# Altium PCB PCB.PcbDoc (part 1 of 4) (continued)
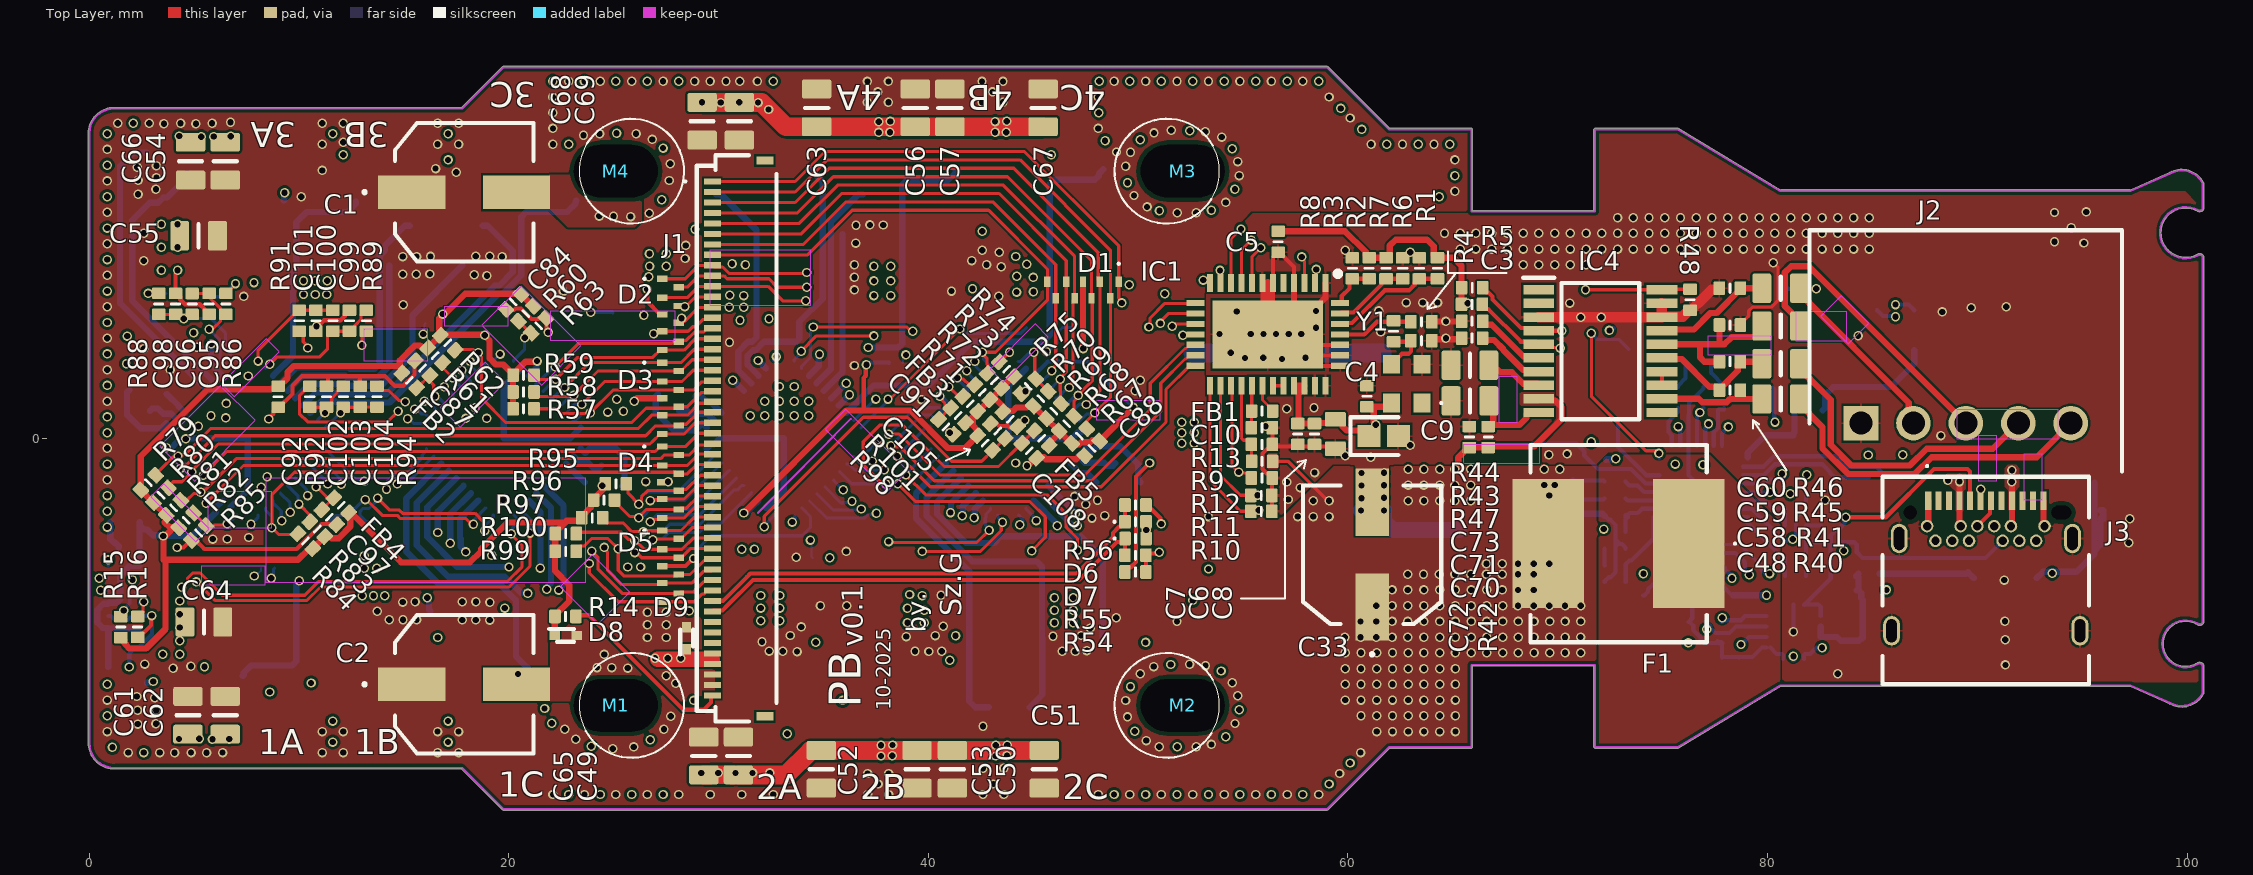
[diagram p0: Top Layer view]
## Design rules (kind name [scope] priority, off if disabled: settings)
BoardOutlineClearance [All] p1: gap=0.2 ignorepadtopadclearanceinfootprint=FALSE
Clearance [All] p1: gap=0.1 ignorepadtopadclearanceinfootprint=FALSE except(0.2: Arc-Hole Track-Hole SMDPad-Hole THPad-Hole Via-Hole Fill-Hole Poly-Hole Region-Hole Text-Hole)
ComponentClearance [All] p1: gap=0.102 collisioncheckmode=3 verticalgap=0.102 showdistances=TRUE
DiffPairsRouting [All] p1: maxlimit=0.102 minlimit=0.102 mostfreqgap=0.102 toplayer_minwidth=0.102 toplayer_maxwidth=1816.048 toplayer_prefwidth=0.102 midlayer1_minwidth=0.102 midlayer1_maxwidth=1816.048 midlayer1_prefwidth=0.102 midlayer2_minwidth=0.102 midlayer2_maxwidth=1816.048 midlayer2_prefwidth=0.102 midlayer3_minwidth=0.102 midlayer3_maxwidth=1816.048 midlayer3_prefwidth=0.102 midlayer4_minwidth=0.102 midlayer4_maxwidth=1816.048 midlayer4_prefwidth=0.102 bottomlayer_minwidth=0.102 bottomlayer_maxwidth=1816.048 bottomlayer_prefwidth=0.102 maxuncoupledlength=12.7
Height [All] p1: minheight=0 maxheight=1816.048 prefheight=12.7
HoleSize [All] p1: absolutevalues=TRUE maxlimit=6.3 minlimit=0.2 maxpercent=80.000 minpercent=20.000
HoleToHoleClearance [All] p1: gap=0.2 allowstackedmicrovias=FALSE
MinimumAnnularRing [All] p1: minimumring=0.074
MinimumSolderMaskSliver [All] p1: minsoldermaskwidth=0
PlaneClearance [All] p1: clearance=0.102
PlaneConnect PlaneConnectPowerPads [InPadClass('PowerPads')] p1: planeconnectstyle=Direct reliefexpansion=0.508 reliefentries=4 reliefconductorwidth=0.254 reliefairgap=0.254
PlaneConnect [All] p2: pad.planeconnectstyle=Relief pad.reliefexpansion=0.3 pad.reliefentries=4 pad.reliefconductorwidth=0.102 pad.reliefairgap=0.102 via.planeconnectstyle=Direct via.reliefexpansion=0.3 via.reliefentries=4 via.reliefconductorwidth=0.127 via.reliefairgap=0.127
PolygonConnect DirectConnect [All vs Name Like 'L04_MOS*_RES'  or Name Like 'L04_MOS??_OUT'  or Name Like 'L04_BAT+_F' or Name Like 'L0?_BMS_POW_*' or Name Like 'BAT+_F_L01_IN'  or Name Like '*_DC'] p1: connectstyle=Direct reliefconductorwidth=0.254 reliefentries=4 polygonreliefangle="90 Angle" airgapwidth=0.254
PolygonConnect PolygonConnect_1 [All vs IsNamedPolygon('NETC25_2_L04_P056') Or IsNamedPolygon('NETC26_2_L04_P054')] p2: connectstyle=Direct reliefconductorwidth=0.254 reliefentries=4 polygonreliefangle="90 Angle" airgapwidth=0.254
PolygonConnect PolygonConnectPowerPads [All vs (InPadClass('PowerPads'))] p3: connectstyle=Direct reliefconductorwidth=0.254 reliefentries=4 polygonreliefangle="90 Angle" airgapwidth=0.254
PolygonConnect [All] p4: thpad.connectstyle=Relief thpad.reliefconductorwidth=0.102 thpad.reliefentries=4 thpad.polygonreliefangle="90 Angle" thpad.airgapwidth=0.102 smdpad.connectstyle=Relief smdpad.reliefconductorwidth=0.102 smdpad.reliefentries=4 smdpad.polygonreliefangle="90 Angle" smdpad.airgapwidth=0.102 via.connectstyle=Direct via.reliefconductorwidth=0.127 via.reliefentries=4 via.polygonreliefangle="90 Angle" via.airgapwidth=0.127
RoutingVias [All] p1: holewidth=0.3 width=0.45 viastyle="Through Hole" minholewidth=0.3 minwidth=0.45 maxholewidth=6.3 maxwidth=6.55
SilkToSilkClearance [All] p1 off: silktosilkclearance=0
SilkToSolderMaskClearance [IsPad] p1: minsilkscreentomaskgap=0.102 clearancetoexposedcopper=TRUE
SolderMaskExpansion [IsVia] p1: expansion=0.075 istentingtop=TRUE
SupplyNets "Schematic Supply Nets_4" [InNet('+FUSB')] p1: voltage=0.000
SupplyNets "Schematic Supply Nets_3" [InNet('GND')] p2: voltage=0.000
SupplyNets "Schematic Supply Nets_2" [InNet('+5V')] p3: voltage=0.000
SupplyNets "Schematic Supply Nets_1" [InNet('BAT+_F')] p4: voltage=0.000
SupplyNets "Schematic Supply Nets" [InNet('+3V3')] p5: voltage=0.000
Width [All] p1: maxlimit=1816.048 minlimit=0.102 preferedwidth=0.102
20 further rules are at their usual default settings.

## Classes and differential pairs
component class U_ESC_D: C55 C108 FB5 IC10 Q24 Q25 Q26 Q27 Q28 Q29 R95 R96 R97 R98 R99 R100 R101 R102 R103 R104
component class U_ESC_C: C93 C96 C97 C103 C108 FB4 IC9 Q18 Q19 Q20 Q21 Q22 Q23 R79 R80 R81 R82 R83 R84 R85 R86 R87 R88 R89 R90 R91 R92 R93 R94
component class U_ESC_B: C93 C96 FB3 IC8 Q12 Q13 Q14 Q15 Q16 Q17 R67 R68 R69 R70 R71 R72 R73 R74 R75 R76 R77 R78
component class U_ESC_A: C93 C96 FB2 IC7 Q6 Q7 Q8 Q9 Q10 Q11 R57 R58 R59 R60 R61 R62 R63 R64 R65 R66
component class U_FC_Conn: D1 D2 D3 D4 D5 D6 D7 D8 D9 J1 R14
component class U_ToF_Bottom: C11 C12 C13 C14 IC2 R15 R16
component class U_USB: C76 C78 C79 C82 C93 D10 D11 D12 FF IC5 IC6 J3 R49 R50 R51 R52 R53 R54 R55 R56
component class U_BMS: C15 C16 C17 C18 C19 C20 C21 C22 C23 C24 C25 C26 C27 C28 C29 C30 C31 C32 C33 C34 C35 C36 C37 C38 C39 C40 C41 C42 C43 C44 C45 C46 C47 C48 C49 C50 C51 C52 C53 C55 C59 C61 C62 C63 C64 C65 C66 C67 C76 C79 F1 IC3 IC4 J2 L1 Q1 Q2 Q3 Q4 Q5 R17 R18 R19 R20 R21 R22 R23 R24 R25 R26 R27 R28 R29 R30 R31 R32 R33 R34 R35 R36 R37 R38 R39 R40 R41 R42 R43 R44 R45 R46 R47 R48
component class U_ADC+Temp: C3 C4 C5 C6 C7 C8 C9 C10 FB1 IC1 R1 R2 R3 R4 R5 R6 R7 R8 R9 R10 R11 R12 R13 RT1 RT2 RT3 RT4 RT5 Y1
component class Main: C1 C2 M1 M2 M3 M4
differential pair D: +D_P -D_N
differential pair CONN_D: +CONN_D_P -CONN_D_N

## Components (designator, comment, footprint, x,y, rotation, side; value= is the part's Value field where it differs from the comment)
C1 "EEH-ZL1V151XP" EEEHP1H4R7P 17.871,11.732 r270 top locked
C2 "EEH-ZL1V151XP" EEEHP1H4R7P 17.871,-11.733 r270 top locked
C3 "Cap0402" CAP0402 63.503,4.648 r180 top value=DNI
C4 "Cap0402" CAP0402 60.9,2 r270 top value=DNI
C5 "Cap0402" CAP0402 56.671,9.368 r90 top value=100nF
C6 "Cap0402" CAP0402 58.4,0.2 r90 top value=100nF
C7 "Cap0402" CAP0402 57.6,0.2 r90 top value=100nF
C8 "Cap0603" CAP0603 59.4,0.2 r90 top value=DNI
C9 "TMCJ0J106MTRF" CAPPC1608X90N 61.7,0.1 r0 top value=10uF
C10 "Cap0402" CAP0402 55.9,0.5 r180 top value=DNI
C11 "Cap0402" CAP0402 1.4,-10 r180 bottom value=100nF
C12 "Cap0402" CAP0402 1.4,-10.9 r180 bottom value=100nF
C13 "Cap0603" CAP0603 1.7,-4 r0 bottom value=1uF
C14 "Cap0402" CAP0402 1.9,-5.2 r180 bottom value=100nF
C15 "Cap0603" CAP0603 88.285,5.32 r270 bottom value=10uF
C16 "TR3D336K025D0200" CAPPM7343X310N 94.43,6.995 r90 bottom value=33uF
C17 "Cap0805" CAP0805 91.33,5.32 r270 bottom value=10uF
C18 "Cap0805" CAP0805 89.705,5.32 r270 bottom value=10uF
C19 "293D226X0025D2TE3" CAPPM7343X310N 64.635,5.639 r90 bottom value=22uF
C20 "293D226X0025D2TE3" CAPPM7343X310N 69.224,5.645 r90 bottom value=22uF
C21 "Cap0805" CAP0805 56.217,3.17 r270 bottom value=10uF
C22 "Cap0805" CAP0805 58.023,3.17 r270 bottom value=10uF
C23 "Cap0805" CAP0805 61.635,3.17 r270 bottom value=10uF
C24 "Cap0805" CAP0805 52.605,3.17 r270 bottom value=10uF
C25 "Cap0805" CAP0805 59.829,3.17 r270 bottom value=10uF
C26 "Cap0805" CAP0805 54.411,3.17 r270 bottom value=10uF
C27 "Cap0805" CAP0805 63.629,-5.28 r270 bottom value=10uF
C28 "Cap0805" CAP0805 65.28,-5.28 r270 bottom value=10uF
C29 "Cap0402" CAP0402 83.571,5.368 r270 bottom value=10nF
C30 "Cap0402" CAP0402 82.771,5.368 r270 bottom value=1nF
C31 "Cap0402" CAP0402 77.72,3.301 r0 bottom value=47nF
C32 "Cap0402" CAP0402 75.735,3.301 r180 bottom value=47nF
C33 "EEH-ZL1V151XP" EEEHP1H4R7P 61.15,-5.55 r0 top
C34 "Cap0402" CAP0402 76.948,1.939 r270 bottom value=2u2F
C35 "Cap0402" CAP0402 84.035,-1.361 r270 bottom value=33nF
C36 "Cap0402" CAP0402 83.235,-1.361 r90 bottom value=DNI
C37 "Cap0402" CAP0402 85.635,-1.361 r90 bottom value=33nF
C38 "Cap0402" CAP0402 70.735,-1.461 r270 bottom value=1uF
C39 "Cap0402" CAP0402 71.535,-2.461 r270 bottom value=100nF
C40 "Cap0402" CAP0402 70.735,-3.461 r270 bottom value=DNI
C41 "Cap0603" CAP0603 81.935,0.239 r180 bottom value=u47F
C42 "Cap0402" CAP0402 81.335,-6.561 r180 bottom value=100pF
C43 "Cap0402" CAP0402 81.335,-4.961 r180 bottom value=1uF
C44 "Cap0402" CAP0402 74.919,-6.992 r90 bottom value=33pF
C45 "Cap0402" CAP0402 72.735,-6.861 r0 bottom value=15pF
C46 "Cap0402" CAP0402 74.069,-6.987 r270 bottom value=3n3F
C47 "Cap0402" CAP0402 72.735,-5.261 r180 bottom value=1n2F
C48 "Cap0402" CAP0402 78.207,2.293 r0 top value=1uF
C49 "Cap0805" CAP0805 30.942,-15.146 r90 top value=DNI
C50 "Cap0805" CAP0805 41.141,-15.78 r270 top value=DNI
C51 "Cap0805" CAP0805 45.522,-15.781 r270 top value=DNI
C52 "Cap0805" CAP0805 34.893,-15.781 r270 top value=DNI
C53 "Cap0805" CAP0805 39.453,-15.781 r270 top value=DNI
C54 "Cap0805" CAP0805 6.477,13.208 r270 top value=DNI
C55 "Cap0805" CAP0805 5.207,9.652 r0 top value=DNI
C56 "Cap0805" CAP0805 39.37,15.748 r90 top value=DNI
C57 "Cap0805" CAP0805 41.021,15.748 r90 top value=DNI
C58 "Cap0402" CAP0402 78.207,3.653 r0 top value=1uF
C59 "Cap0402" CAP0402 78.212,5.392 r180 top value=1uF
C60 "Cap0402" CAP0402 78.207,7.151 r180 top value=1uF
C61 "Cap0805" CAP0805 4.699,-13.208 r90 top value=DNI
C62 "Cap0805" CAP0805 6.477,-13.208 r90 top value=DNI
C63 "Cap0805" CAP0805 34.671,15.748 r90 top value=DNI
C64 "Cap0805" CAP0805 5.461,-8.763 r0 top value=DNI
C65 "Cap0805" CAP0805 29.291,-15.146 r90 top value=DNI
C66 "Cap0805" CAP0805 4.826,13.208 r270 top value=DNI
C67 "Cap0805" CAP0805 45.466,15.748 r90 top value=DNI
C68 "Cap0805" CAP0805 29.21,15.113 r270 top value=DNI
C69 "Cap0805" CAP0805 30.988,15.113 r270 top value=DNI
C70 "Cap0805" CAP0805 65.814,1.779 r0 top value=10uF
C71 "Cap0402" CAP0805 65.814,3.479 r0 top value=4u7F
C72 "Cap0402" CAP0402 65.789,0.059 r270 top value=1uF
C73 "Cap0402" CAP0402 65.914,4.779 r0 top value=1uF
C74 "Cap0603" CAP0603 84.471,-10.232 r90 bottom value=2u2
C75 "Cap0402" CAP0402 83.371,-10.032 r90 bottom value=100nF
C76 "Cap0402" CAP0402 77.835,-10.961 r90 bottom value=100nF
C77 "Cap0402" CAP0402 78.635,-10.961 r90 bottom value=1uF
C78 "Cap0603" CAP0603 96.568,-3.832 r180 bottom value=2u2
C79 "Cap0603" CAP0603 96.568,-4.932 r180 bottom value=2u2
C80 "Cap0603" CAP0603 87.135,-7.161 r90 bottom value=2u2
C81 "Cap0603" CAP0603 88.335,-7.161 r90 bottom value=2u2
C82 "Cap0402" CAP0402 83.035,-4.161 r0 bottom value=470pF
C83 "Cap0402" CAP0402 83.035,-4.961 r0 bottom value=470pF
C84 "Cap0402" CAP0402 20.205,6.502 r45 top value=1uF
C85 "CapSMD0603" CAP0603 24.905,-1.798 r315 bottom value=47nF
C86 "CapSMD0603" CAP0603 24.105,-2.598 r135 bottom value=1uF
C87 "Cap0402" CAP0402 15.885,3.348 r315 top value=100nF
C88 "Cap0402" CAP0402 47.798,-0.485 r45 top value=1uF
C89 "CapSMD0603" CAP0603 49.405,-1.698 r315 bottom value=47nF
C90 "CapSMD0603" CAP0603 48.605,-2.498 r135 bottom value=1uF
C91 "Cap0402" CAP0402 40.833,0.535 r135 top value=100nF
C92 "Cap0402" CAP0402 9,1.98 r90 top value=1uF
C93 "CapSMD0603" CAP0603 2.393,1.802 r135 bottom value=47nF
C94 "CapSMD0603" CAP0603 3.205,2.602 r315 bottom value=1uF
C95 "Cap0402" CAP0402 5.705,6.402 r90 top value=DNI
C96 "Cap0402" CAP0402 4.905,6.402 r270 top value=DNI
C97 "Cap0402" CAP0402 11.436,-3.769 r135 top value=100nF
C98 "Cap0402" CAP0402 4.105,6.402 r90 top value=DNI
C99 "Cap0402" CAP0402 12.405,5.602 r270 top value=DNI
C100 "Cap0402" CAP0402 11.605,5.602 r90 top value=DNI
C101 "Cap0402" CAP0402 10.805,5.602 r270 top value=DNI
C102 "Cap0402" CAP0402 11.308,1.98 r270 top value=DNI
C103 "Cap0402" CAP0402 12.108,1.98 r270 top value=DNI
C104 "Cap0402" CAP0402 12.908,1.98 r90 top value=DNI
C105 "Cap0402" CAP0402 43.9,0.9 r135 top value=1uF
C106 "CapSMD0603" CAP0603 27.605,1.702 r135 bottom value=47nF
C107 "CapSMD0603" CAP0603 28.405,2.502 r315 bottom value=1uF
C108 "Cap0402" CAP0402 44.8,-0.6 r135 top value=100nF
D1 "DT1240A-08LP3810-7" DT1240A08LP38107 47.371,7.068 r180 top
D2 "DT1240A-08LP3810-7" DT1240A08LP38107 27.705,5.902 r270 top locked
D3 "DT1240A-08LP3810-7" DT1240A08LP38107 27.705,1.902 r270 top locked
D4 "DT1240A-08LP3810-7" DT1240A08LP38107 27.705,-2.098 r270 top locked
D5 "DT1240A-08LP3810-7" DT1240A08LP38107 27.705,-6.098 r270 top locked
D6 "D1213A-01LP4-7B" D1213A01LP47B 49.868,-3.982 r0 top
D7 "D1213A-01LP4-7B" D1213A01LP47B 49.871,-4.782 r0 top
D8 "DF2S24FS,L3M" SODFL1006X45N 22.7,-9.4 r0 top
D9 "DF2S24FS,L3M" SODFL1006X45N 28.471,-9.532 r90 top
D10 "D1213A-01LP4-7B" D1213A01LP47B 84.635,-4.161 r0 bottom
D11 "D1213A-01LP4-7B" D1213A01LP47B 84.635,-4.961 r0 bottom
D12 "DF2S24FS,L3M" SODFL1006X45N 93.205,-1.18 r90 bottom
F1 "3-140-177" 3140177 72.9,-5.025 r180 top
FB1 "0R/Ferrite" NFZ15SG152SN10B 55.9,1.3 r0 top
FB2 "0R/Ferrite" NFZ15SG152SN10B 15.251,2.758 r315 top
FB3 "0R/Ferrite" NFZ15SG152SN10B 41.411,1.084 r135 top
FB4 "0R/Ferrite" NFZ15SG152SN10B 12.005,-3.198 r135 top
FB5 "0R/Ferrite" NFZ15SG152SN10B 45.4,0 r135 top
IC1 "LTC2495CUHF#PBF" QFN50P500X700X80-39N-D 56.175,4.95 r270 top
IC2 "TMF8806" TMF88051B 1.65,-7.568 r90 bottom
IC3 "BQ25720RSNR" QFN40P400X400X80-33N-D 76.835,-2.361 r180 bottom locked
IC4 "BQ7692003PW" SOP65P640X120-20N 72.03,4.152 r0 top
IC5 "TLV70950PKR" TL431AQPKG3 91.335,-8.111 r0 bottom
IC6 "FUSB302BMPX" QFN50P250X250X80-15N 81.235,-9.229 r90 bottom
IC7 "DRV8323SRTAR" QFN50P600X600X80-41N-D 19.75,0.002 r135 bottom locked
IC8 "DRV8323SRTAR" QFN50P600X600X80-41N-D 43.805,0.002 r135 bottom
IC9 "DRV8323SRTAR" QFN50P600X600X80-41N-D 7.55,0.002 r315 bottom locked
IC10 "DRV8323SRTAR" QFN50P600X600X80-41N-D 33.105,0.002 r315 bottom
J1 "FH34SRJ-50S-0.5SH_50_" FH34SRJ50S05SH50 30.855,-0.01 r90 top locked
J2 "S5B-XH-A_LF__SN_" SHDRRA5W64P0X250_1X5_1490X1150X610P 84.455,0.717 r0 top
J3 "USB4056-03-A" USB405603A 90.405,-9.18 r0 top
L1 "XEL4020-222MEC" XEL4020222MEC 76.835,6.639 r180 bottom
M1 "Mount_M2" MOUNT_M2_ANTI_VIBRATION_RUBBER 25.85,-12.733 r0 top locked
M2 "Mount_M2" MOUNT_M2_ANTI_VIBRATION_RUBBER 51.371,-12.732 r180 top
M3 "Mount_M2" MOUNT_M2_ANTI_VIBRATION_RUBBER 51.371,12.732 r180 top locked
M4 "Mount_M2" MOUNT_M2_ANTI_VIBRATION_RUBBER 25.85,12.732 r0 top locked
Q1 "PMPB07R3ENAX" DMT3006LFDF7 80.935,3.289 r180 bottom locked
Q2 "SISA01DN-T1-GE3" SIS862DNT1GE3 67.807,-1.816 r270 bottom
Q3 "PMPB07R3ENAX" DMT3006LFDF7 73.315,6.179 r180 bottom locked
Q4 "PMPB07R3ENAX" DMT3006LFDF7 80.335,6.179 r0 bottom locked
Q5 "PMPB07R3ENAX" DMT3006LFDF7 72.735,3.289 r0 bottom locked
Q6 "TPN1R603PL,L1Q" TPN1R603PLL1Q 4.65,-12.643 r90 bottom locked
Q7 "TPN1R603PL,L1Q" TPN1R603PLL1Q 8.289,-9.433 r180 bottom locked
Q8 "TPN1R603PL,L1Q" TPN1R603PLL1Q 15.269,-10.133 r0 bottom locked
Q9 "TPN1R603PL,L1Q" TPN1R603PLL1Q 11.779,-9.433 r180 bottom locked
Q10 "TPN1R603PL,L1Q" TPN1R603PLL1Q 18.759,-10.133 r0 bottom locked
Q11 "TPN1R603PL,L1Q" TPN1R603PLL1Q 22.249,-9.428 r180 bottom locked
Q12 "TPN1R603PL,L1Q" TPN1R603PLL1Q 33.377,-11.619 r0 bottom
Q13 "TPN1R603PL,L1Q" TPN1R603PLL1Q 29.886,-10.919 r180 bottom
Q14 "TPN1R603PL,L1Q" TPN1R603PLL1Q 40.359,-11.619 r0 bottom
Q15 "TPN1R603PL,L1Q" TPN1R603PLL1Q 36.868,-10.919 r180 bottom
Q16 "TPN1R603PL,L1Q" TPN1R603PLL1Q 47.341,-11.619 r0 bottom
Q17 "TPN1R603PL,L1Q" TPN1R603PLL1Q 43.85,-10.919 r180 bottom
Q18 "TPN1R603PL,L1Q" TPN1R603PLL1Q 4.65,12.647 r90 bottom locked
Q19 "TPN1R603PL,L1Q" TPN1R603PLL1Q 8.29,9.432 r0 bottom locked
Q20 "TPN1R603PL,L1Q" TPN1R603PLL1Q 15.27,10.132 r180 bottom locked
Q21 "TPN1R603PL,L1Q" TPN1R603PLL1Q 11.78,9.432 r0 bottom locked
Q22 "TPN1R603PL,L1Q" TPN1R603PLL1Q 18.76,10.132 r180 bottom locked
Q23 "TPN1R603PL,L1Q" TPN1R603PLL1Q 22.25,9.432 r0 bottom locked
Q24 "TPN1R603PL,L1Q" TPN1R603PLL1Q 29.888,11.617 r180 bottom
Q25 "TPN1R603PL,L1Q" TPN1R603PLL1Q 33.381,10.917 r0 bottom
Q26 "TPN1R603PL,L1Q" TPN1R603PLL1Q 36.875,11.617 r180 bottom
Q27 "TPN1R603PL,L1Q" TPN1R603PLL1Q 40.368,10.917 r0 bottom
Q28 "TPN1R603PL,L1Q" TPN1R603PLL1Q 43.861,11.617 r180 bottom
Q29 "TPN1R603PL,L1Q" TPN1R603PLL1Q 47.354,10.917 r0 bottom
R1 "Res0402" RES0402 64.26,8.1 r90 top value=DNI
R2 "Res0402" RES0402 61.81,8.1 r90 top value=DNI
R3 "Res0402" RES0402 61.01,8.1 r90 top value=DNI
R4 "Res0402" RES0402 62.177,5.106 r270 top value=DNI
R5 "Res0402" RES0402 63.503,5.548 r180 top value=10k
R6 "Res0402" RES0402 63.41,8.1 r270 top value=10k
R7 "Res0402" RES0402 62.61,8.1 r270 top value=10k
R8 "Res0402" RES0402 60.21,8.1 r270 top value=10k
R9 "Res0402" RES0402 55.9,-1.1 r0 top value=50k
R10 "Res0402" RES0402 55.873,-3.487 r180 top value=10k
R11 "Res0402" RES0402 55.871,-2.732 r180 top value=10k
R12 "Res0402" RES0402 55.9,-1.9 r180 top value=10k
R13 "Res0402" RES0402 55.9,-0.3 r180 top value=10k
R14 "Res0402" RES0402 22.7,-8.5 r180 top value=DNI
R15 "Res0402" RES0402 1.5,-9 r270 top value=50k
R16 "Res0402" RES0402 2.3,-9 r90 top value=50k
R17 "L4CA0612LR010FNR" L4CA0612L0M50FNR 86.105,4.77 r180 bottom
R18 "L4CA0612LR010FNR" L4CA0612L0M50FNR 68.335,-5.961 r90 bottom
R19 "Res0402" RES0402 84.835,-1.361 r90 bottom value=5R
R20 "Res0402" RES0402 86.435,-1.361 r90 bottom value=5R
R21 "Res0402" RES0402 77.935,1.939 r90 bottom value=0R
R22 "Res0402" RES0402 75.735,1.939 r90 bottom value=0R
R23 "Res0603" RES0603 81.935,1.339 r0 bottom value=1R
R24 "Res0402" RES0402 81.335,-2.561 r0 bottom value=10R
R25 "Res0402" RES0402 72.735,-2.061 r180 bottom value=10R
R26 "Res0402" RES0402 72.735,-2.861 r180 bottom value=10R
R27 "Res0402" RES0402 81.332,-1.766 r0 bottom value=10k
R28 "Res0402" RES0402 81.335,-3.361 r0 bottom value=380k
R29 "Res0402" RES0402 81.335,-5.761 r180 bottom value=137k
R30 "Res0402" RES0402 72.735,-4.461 r180 bottom value=350k
R31 "Res0402" RES0402 81.335,-4.161 r180 bottom value=120k
R32 "Res0402" RES0402 72.735,-3.661 r0 bottom value=250k
R33 "Res0402" RES0402 75.758,-6.992 r90 bottom value=16k9
R34 "Res0402" RES0402 72.735,-6.061 r0 bottom value=10k
R35 "Res0402" RES0402 79.945,-6.987 r270 bottom value=10k
R36 "Res0402" RES0402 79.106,-6.987 r270 bottom value=10k
R37 "Res0402" RES0402 78.266,-6.987 r270 bottom value=10k
R38 "Res0402" RES0402 76.587,-6.987 r270 bottom value=DNI
R39 "Res0402" RES0402 77.437,-6.992 r90 bottom value=10k
R40 "Res0805" RES0805 80.63,1.87 r0 top value=100R
R41 "Res0805" RES0805 80.63,3.552 r0 top value=100R
R42 "Res0805" RES0402 66.689,0.059 r270 top value=100R
R43 "Res0402" RES0402 65.914,6.379 r180 top value=DNI
R44 "Res0402" RES0402 65.916,7.174 r180 top value=DNI
R45 "Res0805" RES0805 80.63,5.352 r0 top value=100R
R46 "Res0805" RES0805 80.627,7.148 r0 top value=100R
R47 "Res0402" RES0402 65.914,5.579 r0 top value=10k
R48 "Res0402" RES0402 76.3,6.6 r90 top value=1M
R49 "Res0402" RES0402 84.835,-7.261 r0 bottom value=DNI
R50 "Res0402" RES0402 84.835,-6.461 r0 bottom value=0R
R51 "Res0402" RES0402 76.235,-9.261 r90 bottom value=10k
R52 "Res0402" RES0402 77.035,-9.261 r270 bottom value=4k7
R53 "Res0402" RES0402 77.835,-9.261 r270 bottom value=4k7
R54 "Res0402" RES0402 49.871,-6.382 r180 top value=1k5
R55 "Res0402" RES0402 49.871,-5.582 r180 top value=22R
R56 "Res0402" RES0402 49.873,-3.187 r180 top value=22R
R57 "Res0402" RES0402 20.7,1.4 r180 top value=50k
R58 "Res0402" RES0402 20.7,2.2 r180 top value=50k
R59 "Res0402" RES0402 20.7,3 r180 top value=50k
R60 "Res0402" RES0402 20.805,5.936 r45 top value=10k
R61 "Res0402" RES0402 16.481,3.94 r135 top value=DNI
R62 "Res0402" RES0402 17.081,4.543 r135 top value=10k
R63 "Res0402" RES0402 21.416,5.366 r225 top value=10k
R64 "WSK12161L000FEA" WSK12161L000FEA 4.85,-8.468 r90 bottom locked
R65 "WSK12161L000FEA" WSK12161L000FEA 12.513,-5.687 r90 bottom locked
R66 "WSK12161L000FEA" WSK12161L000FEA 26.005,-7.698 r90 bottom locked
R67 "Res0402" RES0402 47.198,0.104 r225 top value=50k
R68 "Res0402" RES0402 46.587,0.696 r225 top value=50k
R69 "Res0402" RES0402 45.977,1.289 r225 top value=50k
R70 "Res0402" RES0402 45.355,1.885 r225 top value=10k
R71 "Res0402" RES0402 41.993,1.644 r315 top value=DNI
R72 "Res0402" RES0402 42.572,2.193 r315 top value=DNI
R73 "Res0402" RES0402 43.15,2.743 r315 top value=10k
R74 "Res0402" RES0402 43.728,3.292 r315 top value=DNI
R75 "Res0402" RES0402 44.756,2.474 r45 top value=10k
R76 "WSK12161L000FEA" WSK12161L000FEA 31.403,-6.998 r90 bottom
R77 "WSK12161L000FEA" WSK12161L000FEA 38.364,-6.998 r90 bottom
R78 "WSK12161L000FEA" WSK12161L000FEA 45.358,-6.998 r90 bottom
R79 "Res0402" RES0402 2.812,-2.116 r225 top value=50k
R80 "Res0402" RES0402 3.415,-2.717 r225 top value=50k
R81 "Res0402" RES0402 4.018,-3.318 r225 top value=50k
R82 "Res0402" RES0402 4.621,-3.919 r225 top value=10k
R83 "Res0402" RES0402 10.87,-4.329 r315 top value=10k
R84 "Res0402" RES0402 10.3,-4.9 r315 top value=10k
R85 "Res0402" RES0402 5.212,-4.516 r45 top value=10k
R86 "Res0402" RES0402 6.505,6.402 r90 top value=0R
R87 "WSK12161L000FEA" WSK12161L000FEA 4.849,8.472 r270 bottom
R88 "Res0402" RES0402 3.305,6.402 r90 top value=0R
R89 "Res0402" RES0402 13.205,5.602 r270 top value=0R
R90 "WSK12161L000FEA" WSK12161L000FEA 11.758,5.702 r270 bottom
R91 "Res0402" RES0402 10.005,5.602 r270 top value=0R
R92 "Res0402" RES0402 10.508,1.98 r90 top value=0R
R93 "WSK12161L000FEA" WSK12161L000FEA 26.005,7.702 r270 bottom
R94 "Res0402" RES0402 13.708,1.98 r90 top value=0R
R95 "Res0402" RES0402 25.102,-2.171 r180 top value=50k
R96 "Res0402" RES0402 24.537,-2.954 r180 top value=50k
R97 "Res0402" RES0402 23.972,-3.792 r180 top value=50k
R98 "Res0402" RES0402 42.7,-0.233 r135 top value=10k
R99 "Res0402" RES0402 22.705,-5.398 r180 top value=DNI
R100 "Res0402" RES0402 22.717,-4.548 r180 top value=10k
R101 "Res0402" RES0402 43.304,0.344 r315 top value=10k
R102 "WSK12161L000FEA" WSK12161L000FEA 31.797,7.002 r270 bottom
R103 "WSK12161L000FEA" WSK12161L000FEA 38.797,7.002 r270 bottom
R104 "WSK12161L000FEA" WSK12161L000FEA 45.735,7.002 r270 bottom
RT1 "TMP6131DECR" TMP6131DECR 38.45,3.6 r180 bottom
RT2 "TMP6131DECR" TMP6131DECR 16.346,5.468 r0 bottom
RT3 "TMP6131DECR" TMP6131DECR 34.8,-5.7 r180 bottom
RT4 "TMP6131DECR" TMP6131DECR 8.5,-6.2 r180 bottom
RT5 "TMP6131DECR" TMP6131DECR 72.3,-0.7 r270 bottom
Y1 "ECS-2520MVLC-010-CN-TR" ECS2520MVLC010CNTR 62.8,2.6 r90 top

## Footprints (in the part's own frame and the unit in brackets; to place one, negate y for a bottom-side part, rotate by r counter-clockwise, add the part's x,y. Pads: shape width x height; smd on the part's side, far side on the other; paste and mask are expansions set on the pad)
3140177 [mm]
  rect 3.4x6.15 smd: 1(-3.35,0) 2(3.35,0)
  silkscreen extent -5.6,-4.7 4.2,4.7, body extent -4.71,-4.7 4.71,4.7, height 4.95
CAP0402 [mm]
  rrect20% 0.55x0.65 smd: 1(-0.498,-0.005) 2(0.503,-0.005)
  silkscreen extent 0,-0.2 0,0.2, body extent -0.49,-0.27 0.51,0.28, height 0.5
CAP0603 [mm]
  rrect20% 0.7x1 smd: 1(-0.7,0) 2(0.7,0)
  body extent -0.8,-0.4 0.8,0.4, height 0.95
CAP0805 [mm]
  rrect20% 0.9x1.4 smd: 1(-0.9,0) 2(0.9,0)
  silkscreen extent 0,-0.55 0,0.55, body extent -1,-0.63 1,0.63, height 0.88
CAPPC1608X90N [mm]
  rect 1.1x1.05 smd: 1(-0.7,0) 2(0.7,0)
  silkscreen extent -1.57,-0.9 0.7,0.9, body extent -0.8,-0.43 0.8,0.43, height 0.9
CAPPM7343X310N [mm]
  rect 2.35x2.45 smd: 1(-3.1,0) 2(3.1,0)
  silkscreen extent -4.28,-2.15 3.65,2.15, body extent -3.59,-2.21 3.6,2.21, height 2.92
D1213A01LP47B [mm]
  rrect20% 0.55x0.65 smd: 1(-0.498,0) 2(0.503,0)
  silkscreen extent -1.05,-0.2 0,0.2, body extent -0.5,-0.3 0.5,0.3, height 0.37
DMT3006LFDF7 [mm]
  rect 0.4x0.425 smd: 1(-0.65,-0.938) 2(0,-0.938) 3(0.65,-0.938) 4(0.65,0.938) 5(0,0.938) 6(-0.65,0.938)
  rect 0.95x1.15 smd: 7(-0.325,0)
  rect 0.48x0.8 smd: 8(0.7,0)
  silkscreen extent -0.75,-1.8 -0.55,-1.6, body extent -0.97,-1.11 1.02,1.11, height 0.73
DT1240A08LP38107 [mm]
  rect 0.3x0.5 smd: 1(-1.7,-0.4) 2(-0.8,-0.4) 3(0,-0.4) 4(0.8,-0.4) 5(1.7,-0.4) 6(1.3,0.4) 7(0.4,0.4) 8(-0.4,0.4) 9(-1.3,0.4)
  silkscreen extent -1.75,-1.3 -1.65,-1.2, body extent -1.9,-0.5 1.9,0.5, height 0.5
ECS2520MVLC010CNTR [mm]
  rect 0.9x0.8 smd: 1(-0.925,-0.725) 2(0.925,-0.725) 3(0.925,0.725) 4(-0.925,0.725)
  silkscreen extent -0.97,-1.7 -0.88,-1.6, body extent -1.3,-1.04 1.3,1.04, height 1
EEEHP1H4R7P [mm]
  rect 1.6x3.2 smd: 1(0,-2.5) 2(0,2.5)
  silkscreen extent -3.3,-4.8 3.3,3.3, body extent -3.3,-3.65 3.3,3.65, height 7.7
FH34SRJ50S05SH50 [mm]
  rect 0.3x0.8 smd: 1(12.25,1.15) 2(11.75,1.15) 3(11.25,1.15) 4(10.75,1.15) 5(10.25,1.15) 6(9.75,1.15) 7(9.25,1.15) 8(8.75,1.15) 9(8.25,1.15) 10(7.75,1.15) 11(7.25,1.15) 12(6.75,1.15) 13(6.25,1.15) 14(5.75,1.15) 15(5.25,1.15) 16(4.75,1.15) 17(4.25,1.15) 18(3.75,1.15) 19(3.25,1.15) 20(2.75,1.15) 21(2.25,1.15) 22(1.75,1.15) 23(1.25,1.15) 24(0.75,1.15) 25(0.25,1.15) 26(-0.25,1.15) 27(-0.75,1.15) 28(-1.25,1.15) 29(-1.75,1.15) 30(-2.25,1.15) 31(-2.75,1.15) 32(-3.25,1.15) 33(-3.75,1.15) 34(-4.25,1.15) 35(-4.75,1.15) 36(-5.25,1.15) 37(-5.75,1.15) 38(-6.25,1.15) 39(-6.75,1.15) 40(-7.25,1.15) 41(-7.75,1.15) 42(-8.25,1.15) 43(-8.75,1.15) 44(-9.25,1.15) 45(-9.75,1.15) 46(-10.25,1.15) 47(-10.75,1.15) 48(-11.25,1.15) 49(-11.75,1.15) 50(-12.25,1.15)
  rect 0.4x0.8 smd: 51(13.25,-1.35) 52(-13.25,-1.35)
  silkscreen extent -13.5,-1.9 13.5,2.5, body extent -13.5,-1.9 13.5,1.9, height 1
L4CA0612L0M50FNR [mm]
  rect 1.014x0.762 smd: 1(-0.888,1.335) 4(0.888,1.335)
  rect 1.014x2.29 smd: 2(-0.888,-0.572) 3(0.888,-0.572)
  silkscreen extent -1.9,1.29 -1.8,1.38, body extent -0.77,-1.6 0.77,1.6, height 0.7
MOUNT_M2_ANTI_VIBRATION_RUBBER [mm]
  round 0 / inner rrect50% 0x0 / far side round 0 hole 2.5 slot 4 at 0 deg unplated: 1(-0.75,0)
  silkscreen extent -2.19,-2.5 2.5,2.5
NFZ15SG152SN10B [mm]
  rrect20% 0.55x0.65 smd: 1(-0.498,-0.005) 2(0.503,-0.005)
  silkscreen extent 0,-0.2 0,0.2, body extent -0.5,-0.25 0.5,0.25, height 0.5
QFN40P400X400X80-33N-D [mm]
  rect 0.75x0.2 smd: 1(-2,1.4) 2(-2,1) 3(-2,0.6) 4(-2,0.2) 5(-2,-0.2) 6(-2,-0.6) 7(-2,-1) 8(-2,-1.4) 17(2,-1.4) 18(2,-1) 19(2,-0.6) 20(2,-0.2) 21(2,0.2) 22(2,0.6) 23(2,1) 24(2,1.4)
  rect 0.2x0.75 smd: 9(-1.4,-2) 10(-1,-2) 11(-0.6,-2) 12(-0.2,-2) 13(0.2,-2) 14(0.6,-2) 15(1,-2) 16(1.4,-2) 25(1.4,2) 26(1,2) 27(0.6,2) 28(0.2,2) 29(-0.2,2) 30(-0.6,2) 31(-1,2) 32(-1.4,2)
  rect 2.9x2.9 smd: 33(0,0)
  silkscreen extent -2.47,1.9 -2.28,2.1, body extent -2,-2 2,2, height 0.8
QFN50P250X250X80-15N [mm]
  rect 0.7x0.3 smd: 1(-1.3,0.5) 2(-1.3,0) 3(-1.3,-0.5) 8(1.3,-0.5) 9(1.3,0) 10(1.3,0.5)
  rect 0.3x0.7 smd: 4(-0.75,-1.3) 5(-0.25,-1.3) 6(0.25,-1.3) 7(0.75,-1.3) 11(0.75,1.3) 12(0.25,1.3) 13(-0.25,1.3) 14(-0.75,1.3)
  rect 1.5x1.5 smd: 15(0,0)
  silkscreen extent -1.77,1.13 -1.53,1.38, body extent -1.3,-1.3 1.3,1.3, height 0.8
QFN50P500X700X80-39N-D [mm]
  rect 0.85x0.3 smd: 1(-2.45,2.75) 2(-2.45,2.25) 3(-2.45,1.75) 4(-2.45,1.25) 5(-2.45,0.75) 6(-2.45,0.25) 7(-2.45,-0.25) 8(-2.45,-0.75) 9(-2.45,-1.25) 10(-2.45,-1.75) 11(-2.45,-2.25) 12(-2.45,-2.75) 20(2.45,-2.75) 21(2.45,-2.25) 22(2.45,-1.75) 23(2.45,-1.25) 24(2.45,-0.75) 25(2.45,-0.25) 26(2.45,0.25) 27(2.45,0.75) 28(2.45,1.25) 29(2.45,1.75) 30(2.45,2.25) 31(2.45,2.75)
  rect 0.3x0.85 smd: 13(-1.5,-3.45) 14(-1,-3.45) 15(-0.5,-3.45) 16(0,-3.45) 17(0.5,-3.45) 18(1,-3.45) 19(1.5,-3.45) 32(1.5,3.45) 33(1,3.45) 34(0.5,3.45) 35(0,3.45) 36(-0.5,3.45) 37(-1,3.45) 38(-1.5,3.45)
  rect 3.25x5.25 smd: 39(0,0)
  silkscreen extent -3.02,3.22 -2.77,3.47, body extent -2.55,-3.55 2.55,3.55, height 0.8
QFN50P600X600X80-41N-D [mm]
  rect 0.9x0.3 smd: 1(-2.95,2.25) 2(-2.95,1.75) 3(-2.95,1.25) 4(-2.95,0.75) 5(-2.95,0.25) 6(-2.95,-0.25) 7(-2.95,-0.75) 8(-2.95,-1.25) 9(-2.95,-1.75) 10(-2.95,-2.25) 21(2.95,-2.25) 22(2.95,-1.75) 23(2.95,-1.25) 24(2.95,-0.75) 25(2.95,-0.25) 26(2.95,0.25) 27(2.95,0.75) 28(2.95,1.25) 29(2.95,1.75) 30(2.95,2.25)
  rect 0.3x0.9 smd: 11(-2.25,-2.95) 12(-1.75,-2.95) 13(-1.25,-2.95) 14(-0.75,-2.95) 15(-0.25,-2.95) 16(0.25,-2.95) 17(0.75,-2.95) 18(1.25,-2.95) 19(1.75,-2.95) 20(2.25,-2.95) 31(2.25,2.95) 32(1.75,2.95) 33(1.25,2.95) 34(0.75,2.95) 35(0.25,2.95) 36(-0.25,2.95) 37(-0.75,2.95) 38(-1.25,2.95) 39(-1.75,2.95) 40(-2.25,2.95)
  rect 4.6x4.6 smd: 41(0,0)
  silkscreen extent -3.52,2.88 -3.28,3.12, body extent -3.05,-3.05 3.05,3.05, height 0.8
RES0402 [mm]
  rrect20% 0.55x0.65 smd: 1(-0.498,-0.005) 2(0.503,-0.005)
  silkscreen extent 0,-0.2 0,0.2, body extent -0.5,-0.25 0.5,0.25, height 0.4
RES0603 [mm] "SMD Resistor 0603"
  rrect20% 0.7x1 smd: 1(-0.7,0) 2(0.7,0)
  silkscreen extent 0,-0.38 0,0.38, body extent -0.8,-0.4 0.8,0.4, height 0.6
RES0805 [mm] "SMD Resistor 0805"
  rrect20% 0.9x1.4 smd: 1(-0.9,0) 2(0.9,0)
  silkscreen extent 0,-0.55 0,0.55, body extent -1,-0.63 1,0.63, height 0.65
SHDRRA5W64P0X250_1X5_1490X1150X610P [mm]
  rect 1.65x1.65 hole 1.1: 1(0,0)
  round 1.65 hole 1.1: 2(2.5,0) 3(5,0) 4(7.5,0) 5(10,0)
  silkscreen extent -2.45,-2.3 12.45,9.2, body extent -2.45,-2.3 12.45,9.2, height 6.1
SIS862DNT1GE3 [mm]
  rect 0.99x0.405 smd: 1(-1.555,0.992) 2(-1.555,0.332) 3(-1.555,-0.328) 4(-1.555,-0.988)
  rect 0.81x0.405 smd: 5(1.405,-0.988) 6(1.405,-0.328) 7(1.405,0.332) 8(1.405,0.992)
  rect 1.725x2.235 smd: 9(0.438,0.002)
  silkscreen extent -1.53,-1.53 1.55,1.53, body extent -1.77,-1.65 1.54,1.65, height 1.09
SODFL1006X45N [mm]
  rect 0.5x0.42 smd: 1(-0.525,0) 2(0.525,0)
  silkscreen extent -0.78,-0.3 0.4,0.3, body extent -0.5,-0.3 0.5,0.3, height 0.4
SOP65P640X120-20N [mm]
  rect 1.475x0.45 smd: 1(-2.938,2.925) 2(-2.938,2.275) 3(-2.938,1.625) 4(-2.938,0.975) 5(-2.938,0.325) 6(-2.938,-0.325) 7(-2.938,-0.975) 8(-2.938,-1.625) 9(-2.938,-2.275) 10(-2.938,-2.925) 11(2.938,-2.925) 12(2.938,-2.275) 13(2.938,-1.625) 14(2.938,-0.975) 15(2.938,-0.325) 16(2.938,0.325) 17(2.938,0.975) 18(2.938,1.625) 19(2.938,2.275) 20(2.938,2.925)
  silkscreen extent -3.68,-3.25 1.85,3.5, body extent -3.2,-3.25 3.2,3.25, height 1.13
TL431AQPKG3 [mm]
  rect 1x1.5 smd: 1(-1.5,-1.45) 3(1.5,-1.45)
  rect 1x1.8 smd: 2(0,-1.3)
  rect 2.2x3.7 smd: 4(0,1.45)
  silkscreen extent -2.55,-2.6 2.25,1.25, body extent -2.25,-1.74 2.25,2.43, height 1.53
TMF88051B [mm]
  rect 0.35x0.575 smd: 1(-1.5,-0.738) 2(-0.9,-0.738) 3(-0.3,-0.738) 4(0.3,-0.738) 5(0.9,-0.738) 6(1.5,-0.738) 7(1.5,0.738) 8(0.9,0.738) 9(0.3,0.738) 10(-0.3,0.738) 11(-0.9,0.738) 12(-1.5,0.738)
  silkscreen extent -1.75,-1.35 -1.65,-1.25, body extent -1.8,-1.1 1.8,1.1, height 1.2
TMP6131DECR [mm]
  rect 0.25x0.5 smd: 1(-0.325,0) 2(0.325,0)
  silkscreen extent -1,-0.05 -0.9,0.05, body extent -0.5,-0.3 0.5,0.3, height 0.6
TPN1R603PLL1Q [mm]
  rect 0.4x0.4 smd: 1(-0.975,-1.9) 2(-0.325,-1.9) 3(0.325,-1.9) 4(0.975,-1.9)
  rect 0.4x0.3 smd: 5(0.975,1.25) 6(0.325,1.25) 7(-0.325,1.25) 8(-0.975,1.25)
  rect 2.65x2.2 smd: 9(0,0)
  silkscreen extent -1.55,-1.92 -1.55,-1.4, body extent -1.55,-2.06 1.55,1.37, height 1
USB405603A [mm]
  rect 0.3x0.9 smd: A1(-2.75,6.2) A2(-2.25,6.2) A3(-1.75,6.2) A4(-1.25,6.2) A5(-0.75,6.2) A6(-0.25,6.2) A7(0.25,6.2) A8(0.75,6.2) A9(1.25,6.2) A10(1.75,6.2) A11(2.25,6.2) A12(2.75,6.2)
  round 0.6 hole 0.4: B1(2.8,4.99) B2(2.4,4.29) B3(1.6,4.29) B4(1.2,4.99) B5(0.8,4.29) B6(0.4,4.99) B7(-0.4,4.99) B8(-0.8,4.29) B9(-1.2,4.99) B10(-1.6,4.29) B11(-2.4,4.29) B12(-2.8,4.99)
  oval 0.8x1.4 hole 0.5 slot 1.1 at 90 deg: MH1(-4.13,4.4) MH2(4.13,4.4) MH3(4.49,0) MH4(-4.49,0)
  round 0 hole 0.65 unplated: MH5(-3.6,5.64)
  round 0 hole 0.65 slot 0.95 at 0 deg unplated: MH6(3.6,5.64)
  silkscreen extent -4.93,-2.53 4.92,7.91, body extent -4.92,-2.53 4.92,7.34, height 3.26
WSK12161L000FEA [mm]
  rect 2.95x1.495 smd: 1(-0.6,-1.053) 4(-0.6,1.053)
  rect 0.7x1.495 smd: 2(1.725,-1.053) 3(1.725,1.053)
  silkscreen extent -1.91,-0.1 1.9,0.1, body extent -2,-1.7 2,1.7, height 2
XEL4020222MEC [mm]
  rect 0.98x3.4 smd: 1(-1.185,0) 2(1.185,0)
  silkscreen extent -3,-2 2,2, body extent -2,-2 2,2, height 2.2

## Part data
C1 C2 C33: "Capacitor Polarised", Manufacturer_Name=Panasonic, Datasheet Link=https://industrial.panasonic.com/cdbs/www-data/pdf/RDD0000/ast-ind-303928.pdf, Manufacturer_Part_Number=EEH-ZL1V151XP
C3 C4: "DNI", Voltage=DNI
C5 C6 C7 C17 C18 C21 C22 C23 C24 C25 C26 C27 C28 C29 C30 C31 C32 C70 C71 C72 C73 C74 C78 C79 C80 C81: Voltage=50V
C8 C10 C36 C40 C49 C50 C51 C52 C53 C54 C55 C56 C57 C61 C62 C63 C64 C65 C66 C67 C68 C69 C95 C96 C98 C99 C100 C101 C102 C103 C104: Voltage=DNI
C9: library part 298D106X96R3M2T, "Capacitor Polarised", Voltage=6V3
C11 C12 C14 C35 C37 C38 C39 C48 C58 C59 C60 C75 C76 C77 C87 C91 C97 C108: Voltage=6V3
C13 C15 C34 C41 C42 C43 C44 C45 C46 C47: Voltage=25V
C16: "Capacitor Polarised", Manufacturer_Name=Vishay, Mouser Part Number=74-TR3D336K025D0200, Datasheet Link=http://www.vishay.com/doc?40080, HEIGHT=3.1mm, Manufacturer_Part_Number=TR3D336K025D0200, Mouser Price/Stock=https://www.mouser.com/Search/Refine.aspx?Keyword=74-TR3D336K025D0200
C19 C20: "Capacitor Polarised", Manufacturer_Name=Vishay, Mouser Part Number=74-293D226X0025D2TE3, Datasheet Link=http://www.vishay.com/docs/40002/293d.pdf, HEIGHT=3.1mm, Manufacturer_Part_Number=293D226X0025D2TE3, Mouser Price/Stock=https://www.mouser.co.uk/ProductDetail/Vishay-Sprague/293D226X0025D2TE3?qs=27QRfRkF2isTHSjSebANCw%3D%3D
C82 C83 C84 C88 C92 C105: Voltage=val
C85 C86 C89 C90 C93 C94 C106 C107: "50V", LatestRevisionDate=29-May-2009, LatestRevisionNote="IPC-7351 Footprint Added.", PackageDescription="Chip Capacitor", PackageReference=C1206, Published=8-Jun-2000, Publisher="Altium Limited"
D1 D2 D3 D4 D5: "TVS Diode (Uni-directional)", Manufacturer_Name="Diodes Incorporated", Mouser Part Number=621-DT1240A08LP38107, Arrow Part Number=DT1240A-08LP3810-7, Arrow Price/Stock=null?region=nac, Datasheet Link=https://www.diodes.com//assets/Datasheets/DT1240A-08LP3810.pdf, HEIGHT=0.55mm, Manufacturer_Part_Number=DT1240A-08LP3810-7, Mouser Price/Stock=https://www.mouser.co.uk/ProductDetail/Diodes-Incorporated/DT1240A-08LP3810-7?qs=W0yvOO0ixfFwCalJyqXN4A%3D%3D
D6 D7 D10 D11: "TVS Diode (Uni-directional)", Manufacturer_Name="Diodes Incorporated", Mouser Part Number=621-D1213A-01LP4-7B, Arrow Part Number=D1213A-01LP4-7B, Arrow Price/Stock=https://www.arrow.com/en/products/d1213a-01lp4-7b/diodes-incorporated?region=europe, Datasheet Link=https://www.diodes.com/assets/Datasheets/D1213A-01LP4.pdf, HEIGHT=0.4mm, Manufacturer_Part_Number=D1213A-01LP4-7B, Mouser Price/Stock=https://www.mouser.co.uk/ProductDetail/Diodes-Incorporated/D1213A-01LP4-7B?qs=gfe7vQ8txpVKfG5NOSOvfA%3D%3D
D8 D9 D12: "TVS Diode (Uni-directional)", Manufacturer_Name=Toshiba, Mouser Part Number=757-DF2S24FSL3M, Arrow Part Number=DF2S24FS,L3M, Arrow Price/Stock=https://www.arrow.com/en/products/df2s24fsl3m/toshiba?region=nac, Datasheet Link=https://www.mouser.com/datasheet/2/408/DF2S24FS_datasheet_en_20140718-708374.pdf, HEIGHT=0.45mm, Manufacturer_Part_Number=DF2S24FS,L3M, Mouser Price/Stock=https://www.mouser.co.uk/ProductDetail/Toshiba/DF2S24FSL3M?qs=lhkzy8lC%252BSvG2umxl0FuEw%3D%3D
F1: "Fuse", Manufacturer_Name=SCHURTER, Mouser Part Number=693-3-140-177, Arrow Part Number=3-140-177, Arrow Price/Stock=https://www.arrow.com/en/products/3-140-177/schurter?region=europe, Datasheet Link=https://www.schurter.com/en/datasheet/typ_UHS.pdf, HEIGHT=4.85mm, Manufacturer_Part_Number=3-140-177, Mouser Price/Stock=https://www.mouser.co.uk/ProductDetail/Schurter/3-140-177?qs=3Rah4i%252BhyCHL3c0yS6dOkg%3D%3D
FB1 FB2 FB3 FB4 FB5: library part BLM15PE471SH1D, "Ferrite Bead", Manufacturer_Name="Murata Electronics", Mouser Part Number=81-BLM15PE471SH1D, Datasheet Link=https://www.murata.com/en-global/products/productdetail.aspx?cate=luNoiseSupprFilteChipFerriBead&partno=BLM15PE471SH1%23, HEIGHT=0.55mm, Manufacturer_Part_Number=BLM15PE471SH1D, Mouser Price/Stock=https://www.mouser.co.uk/ProductDetail/Murata-Electronics/BLM15PE471SH1D?qs=DRkmTr78QATAY5qAVx1hGA%3D%3D
IC1: "Integrated Circuit", Manufacturer_Name="Analog Devices", Mouser Part Number=584-LTC2495CUHF#PBF, Arrow Part Number=LTC2495CUHF#PBF, Arrow Price/Stock=https://www.arrow.com/en/products/ltc2495cuhfpbf/analog-devices?region=europe, Datasheet Link=https://www.analog.com/media/en/technical-documentation/data-sheets/2495fe.pdf, HEIGHT=0.8mm, Manufacturer_Part_Number=LTC2495CUHF#PBF, Mouser Price/Stock=https://www.mouser.co.uk/ProductDetail/Analog-Devices/LTC2495CUHFPBF?qs=hVkxg5c3xu%252Bd9nHQ1gaMcw%3D%3D
IC2: library part TMF8805-1B, "Integrated Circuit", Manufacturer_Name="ams OSRAM", Mouser Part Number=985-TMF8805-1B, Datasheet Link=https://ams.com/documents/20143/4372629/TMF8805_DS000692_4-00.pdf, HEIGHT=1.1mm, Manufacturer_Part_Number=TMF8805-1B, Mouser Price/Stock=https://www.mouser.co.uk/ProductDetail/ams-OSRAM/TMF8805-1B?qs=sPbYRqrBIVlwsjHE%2F%252BrL9g%3D%3D
IC3: "Integrated Circuit", Manufacturer_Name="Texas Instruments", Mouser Part Number=595-BQ25720RSNR, Datasheet Link=https://www.ti.com/lit/ds/symlink/bq25720.pdf?ts=1649085131820&ref_url=https%253A%252F%252Fwww.ti.com%252Fproduct%252FBQ25720, HEIGHT=0.8mm, Manufacturer_Part_Number=BQ25720RSNR, Mouser Price/Stock=https://www.mouser.co.uk/ProductDetail/Texas-Instruments/BQ25720RSNR?qs=ljCeji4nMDlwF8f%2Foae7aQ%3D%3D
IC4: "Integrated Circuit", Manufacturer_Name="Texas Instruments", Mouser Part Number=595-BQ7692003PW, Arrow Part Number=BQ7692003PW, Arrow Price/Stock=https://www.arrow.com/en/products/bq7692003pw/texas-instruments?utm_currency=USD&region=nac, Datasheet Link=http://www.ti.com/lit/gpn/BQ76920, HEIGHT=1.2mm, Manufacturer_Part_Number=BQ7692003PW, Mouser Price/Stock=https://www.mouser.co.uk/ProductDetail/Texas-Instruments/BQ7692003PW?qs=%2Fd%252BFzHvH4c0Hx6X3GvdboA%3D%3D
IC5: "Integrated Circuit", Manufacturer_Name="Texas Instruments", Mouser Part Number=595-TLV70950PKR, Arrow Part Number=TLV70950PKR, Arrow Price/Stock=null?region=nac, Datasheet Link=https://www.ti.com/lit/gpn/tlv709, HEIGHT=1.6mm, Manufacturer_Part_Number=TLV70950PKR, Mouser Price/Stock=https://www.mouser.co.uk/ProductDetail/Texas-Instruments/TLV70950PKR?qs=dbcCsuKDzFU3yYGsVf2izQ%3D%3D
IC6: "Integrated Circuit", Manufacturer_Name=onsemi, Mouser Part Number=512-FUSB302BMPX, Arrow Part Number=FUSB302BMPX, Arrow Price/Stock=https://www.arrow.com/en/products/fusb302bmpx/on-semiconductor?utm_currency=USD&region=nac, Datasheet Link=https://www.onsemi.com/pub/Collateral/FUSB302B-D.PDF, HEIGHT=0.8mm, Manufacturer_Part_Number=FUSB302BMPX, Mouser Price/Stock=https://www.mouser.co.uk/ProductDetail/onsemi-Fairchild/FUSB302BMPX?qs=8ziscO3x5y1SHqdwooDK6g%3D%3D
IC7 IC8 IC9 IC10: "Integrated Circuit", Manufacturer_Name="Texas Instruments", Mouser Part Number=595-DRV8323SRTAR, Arrow Part Number=DRV8323SRTAR, Arrow Price/Stock=https://www.arrow.com/en/products/drv8323srtar/texas-instruments?utm_currency=USD&region=nac, Datasheet Link=http://www.ti.com/lit/ds/symlink/drv8323.pdf, HEIGHT=0.8mm, Manufacturer_Part_Number=DRV8323SRTAR, Mouser Price/Stock=https://www.mouser.co.uk/ProductDetail/Texas-Instruments/DRV8323SRTAR?qs=u4fy%2FsgLU9P2gpPTX6mffg%3D%3D
J1: "Connector", Manufacturer_Name=Hirose, Manufacturer_Part_Number=FH34SRJ-50S-0.5SH(50), Mouser Part Number=798-FH34SRJ50S05SH50, Datasheet Link=https://www.hirose.com/en/product/document?clcode=CL0580-1266-2-50&productname=FH34SRJ-50S-0.5SH(50)&series=FH34SRJ&documenttype=2DDrawing&lang=en&documentid=0001483059, HEIGHT=1.75mm, Mouser Price/Stock=https://www.mouser.co.uk/ProductDetail/Hirose-Connector/FH34SRJ-50S-0.5SH50?qs=vcbW%252B4%252BSTIrLLD%2F8H%2F%252B%2Fhg%3D%3D, System=Connector
J2: "Connector", Arrow Part Number=S5B-XH-A(LF)(SN), Manufacturer_Name="JST (JAPAN SOLDERLESS TERMINALS)", Mouser Part Number=306-S5B-XH-ALFSN, Arrow Price/Stock=https://www.arrow.com/en/products/s5b-xh-a-lf-sn/jst-manufacturing?utm_currency=USD&region=europe, Datasheet Link=http://www.jst-mfg.com/product/pdf/eng/eXH.pdf, HEIGHT=6.1mm, Manufacturer_Part_Number=S5B-XH-A(LF)(SN), Mouser Price/Stock=https://www.mouser.co.uk/ProductDetail/JST-Commercial/S5B-XH-ALFSN?qs=QpmGXVUTftFJm7Okp%252B2lFg%3D%3D
J3: "Connector", Manufacturer_Name="GCT (GLOBAL CONNECTOR TECHNOLOGY)", Mouser Part Number=640-USB4056-03-A, Datasheet Link=https://www.mouser.jp/datasheet/2/837/usb4056-2448808.pdf, HEIGHT=3.56mm, Manufacturer_Part_Number=USB4056-03-A, Mouser Price/Stock=https://www.mouser.co.uk/ProductDetail/GCT/USB4056-03-A?qs=QNEnbhJQKvbZ7hZzgFEugA%3D%3D
L1: "Inductor", Manufacturer_Name=COILCRAFT, Mouser Part Number=994-XEL4020-222MEC, HEIGHT=2.1mm, Manufacturer_Part_Number=XEL4020-222MEC, Mouser Price/Stock=https://www.mouser.co.uk/ProductDetail/Coilcraft/XEL4020-222MEC?qs=chTDxNqvsynf4rqMeCpizg%3D%3D
Q1 Q3 Q4 Q5: library part DMT3006LFDF-7, "MOSFET (N-Channel)", Manufacturer_Name="Diodes Incorporated", Mouser Part Number=621-DMT3006LFDF-7, Arrow Part Number=DMT3006LFDF-7, Arrow Price/Stock=https://www.arrow.com/en/products/dmt3006lfdf-7/diodes-incorporated, Datasheet Link=https://www.arrow.com/en/products/dmt3006lfdf-7/diodes-incorporated, HEIGHT=0.63mm, Manufacturer_Part_Number=DMT3006LFDF-7, Mouser Price/Stock=https://www.mouser.co.uk/ProductDetail/Diodes-Incorporated/DMT3006LFDF-7?qs=4EhzHfbM1GhGS5nn3gf3wg%3D%3D
Q2: "MOSFET (P-Channel)", Manufacturer_Name=Vishay, Mouser Part Number=78-SISA01DN-T1-GE3, Arrow Part Number=SISA01DN-T1-GE3, Arrow Price/Stock=https://www.arrow.com/en/products/sisa01dn-t1-ge3/vishay?region=nac, Datasheet Link=https://www.vishay.com/docs/76198/sisa01dn.pdf, Manufacturer_Part_Number=SISA01DN-T1-GE3, Mouser Price/Stock=https://www.mouser.co.uk/ProductDetail/Vishay-Semiconductors/SISA01DN-T1-GE3?qs=chTDxNqvsymq6IcOj9ze4g%3D%3D
Q6 Q7 Q8 Q9 Q10 Q11 Q12 Q13 Q14 Q15 Q16 Q17 Q18 Q19 Q20 Q21 Q22 Q23 Q24 Q25 Q26 Q27 Q28 Q29: "MOSFET (N-Channel)", Manufacturer_Name=Toshiba, Mouser Part Number=757-TPN1R603PLL1Q, Arrow Part Number=TPN1R603PL,L1Q, Arrow Price/Stock=https://www.arrow.com/en/products/tpn1r603pll1q/toshiba?utm_currency=USD&region=nac, Datasheet Link=https://toshiba.semicon-storage.com/ap-en/semiconductor/product/mosfets/12v-300v-mosfets/detail.TPN1R603PL.html, HEIGHT=0.9mm, Manufacturer_Part_Number=TPN1R603PL,L1Q, Mouser Price/Stock=https://www.mouser.co.uk/ProductDetail/Toshiba/TPN1R603PLL1Q?qs=bUPhaerQQeGYpGlYi%252BLguw%3D%3D
R17 R18: "Resistor", Manufacturer_Name=LITTELFUSE, Datasheet Link=https://www.littelfuse.com/media?resourcetype=datasheets&itemid=db674d7b-aa25-4173-816a-92297475a59f&filename=littelfuse-resistor-l4ca-c-datasheet, HEIGHT=0.7mm, Manufacturer_Part_Number=L4CA0612LR010FNR
R64 R65 R66 R76 R77 R78 R87 R90 R93 R102 R103 R104: library part WSK1216L5000FEA, "Resistor", Manufacturer_Name=Vishay, Mouser Part Number=71-WSK1216L5000FEA, Arrow Part Number=WSK1216L5000FEA, Arrow Price/Stock=https://www.arrow.com/en/products/wsk1216l5000fea/vishay?region=nac, Datasheet Link=http://www.vishay.com/docs/30189/wsk1216.pdf, HEIGHT=1.9mm, Manufacturer_Part_Number=WSK1216L5000FEA, Mouser Price/Stock=https://www.mouser.co.uk/ProductDetail/Vishay-Dale/WSK1216L5000FEA?qs=OlC7AqGiEDlM2wGD42LFoQ%3D%3D
RT1 RT2 RT3 RT4 RT5: "Integrated Circuit", Manufacturer_Name="Texas Instruments", Mouser Part Number=595-TMP6131DECR, Arrow Part Number=TMP6131DECR, Arrow Price/Stock=https://www.arrow.com/en/products/tmp6131decr/texas-instruments?region=nac, Datasheet Link=http://www.ti.com/lit/gpn/TMP61, HEIGHT=0.5mm, Manufacturer_Part_Number=TMP6131DECR, Mouser Price/Stock=https://www.mouser.co.uk/ProductDetail/Texas-Instruments/TMP6131DECR?qs=l7cgNqFNU1jnXQehRCOLwA%3D%3D
Y1: "Crystal or Oscillator", Manufacturer_Name=ECS, Mouser Part Number=520-2520MVLC-010CNTR, Datasheet Link=https://ecsxtal.com/store/pdf/ECS-2520MVLC.pdf, HEIGHT=0.9mm, Manufacturer_Part_Number=ECS-2520MVLC-010-CN-TR, Mouser Price/Stock=https://www.mouser.co.uk/ProductDetail/ECS/ECS-2520MVLC-010-CN-TR?qs=vvQtp7zwQdMouzumdpJOhQ%3D%3D

## Via types
v1: diameter 0.45, hole 0.3, Top Layer to Bottom Layer, tented both sides, 1064 vias
v2: diameter 0.45, hole 0.3, Top Layer to Bottom Layer, tented top, 1 vias